# Altium PCB VOU_SOM_CV_V0.0.1.PcbDoc (part 1 of 4) (continued)
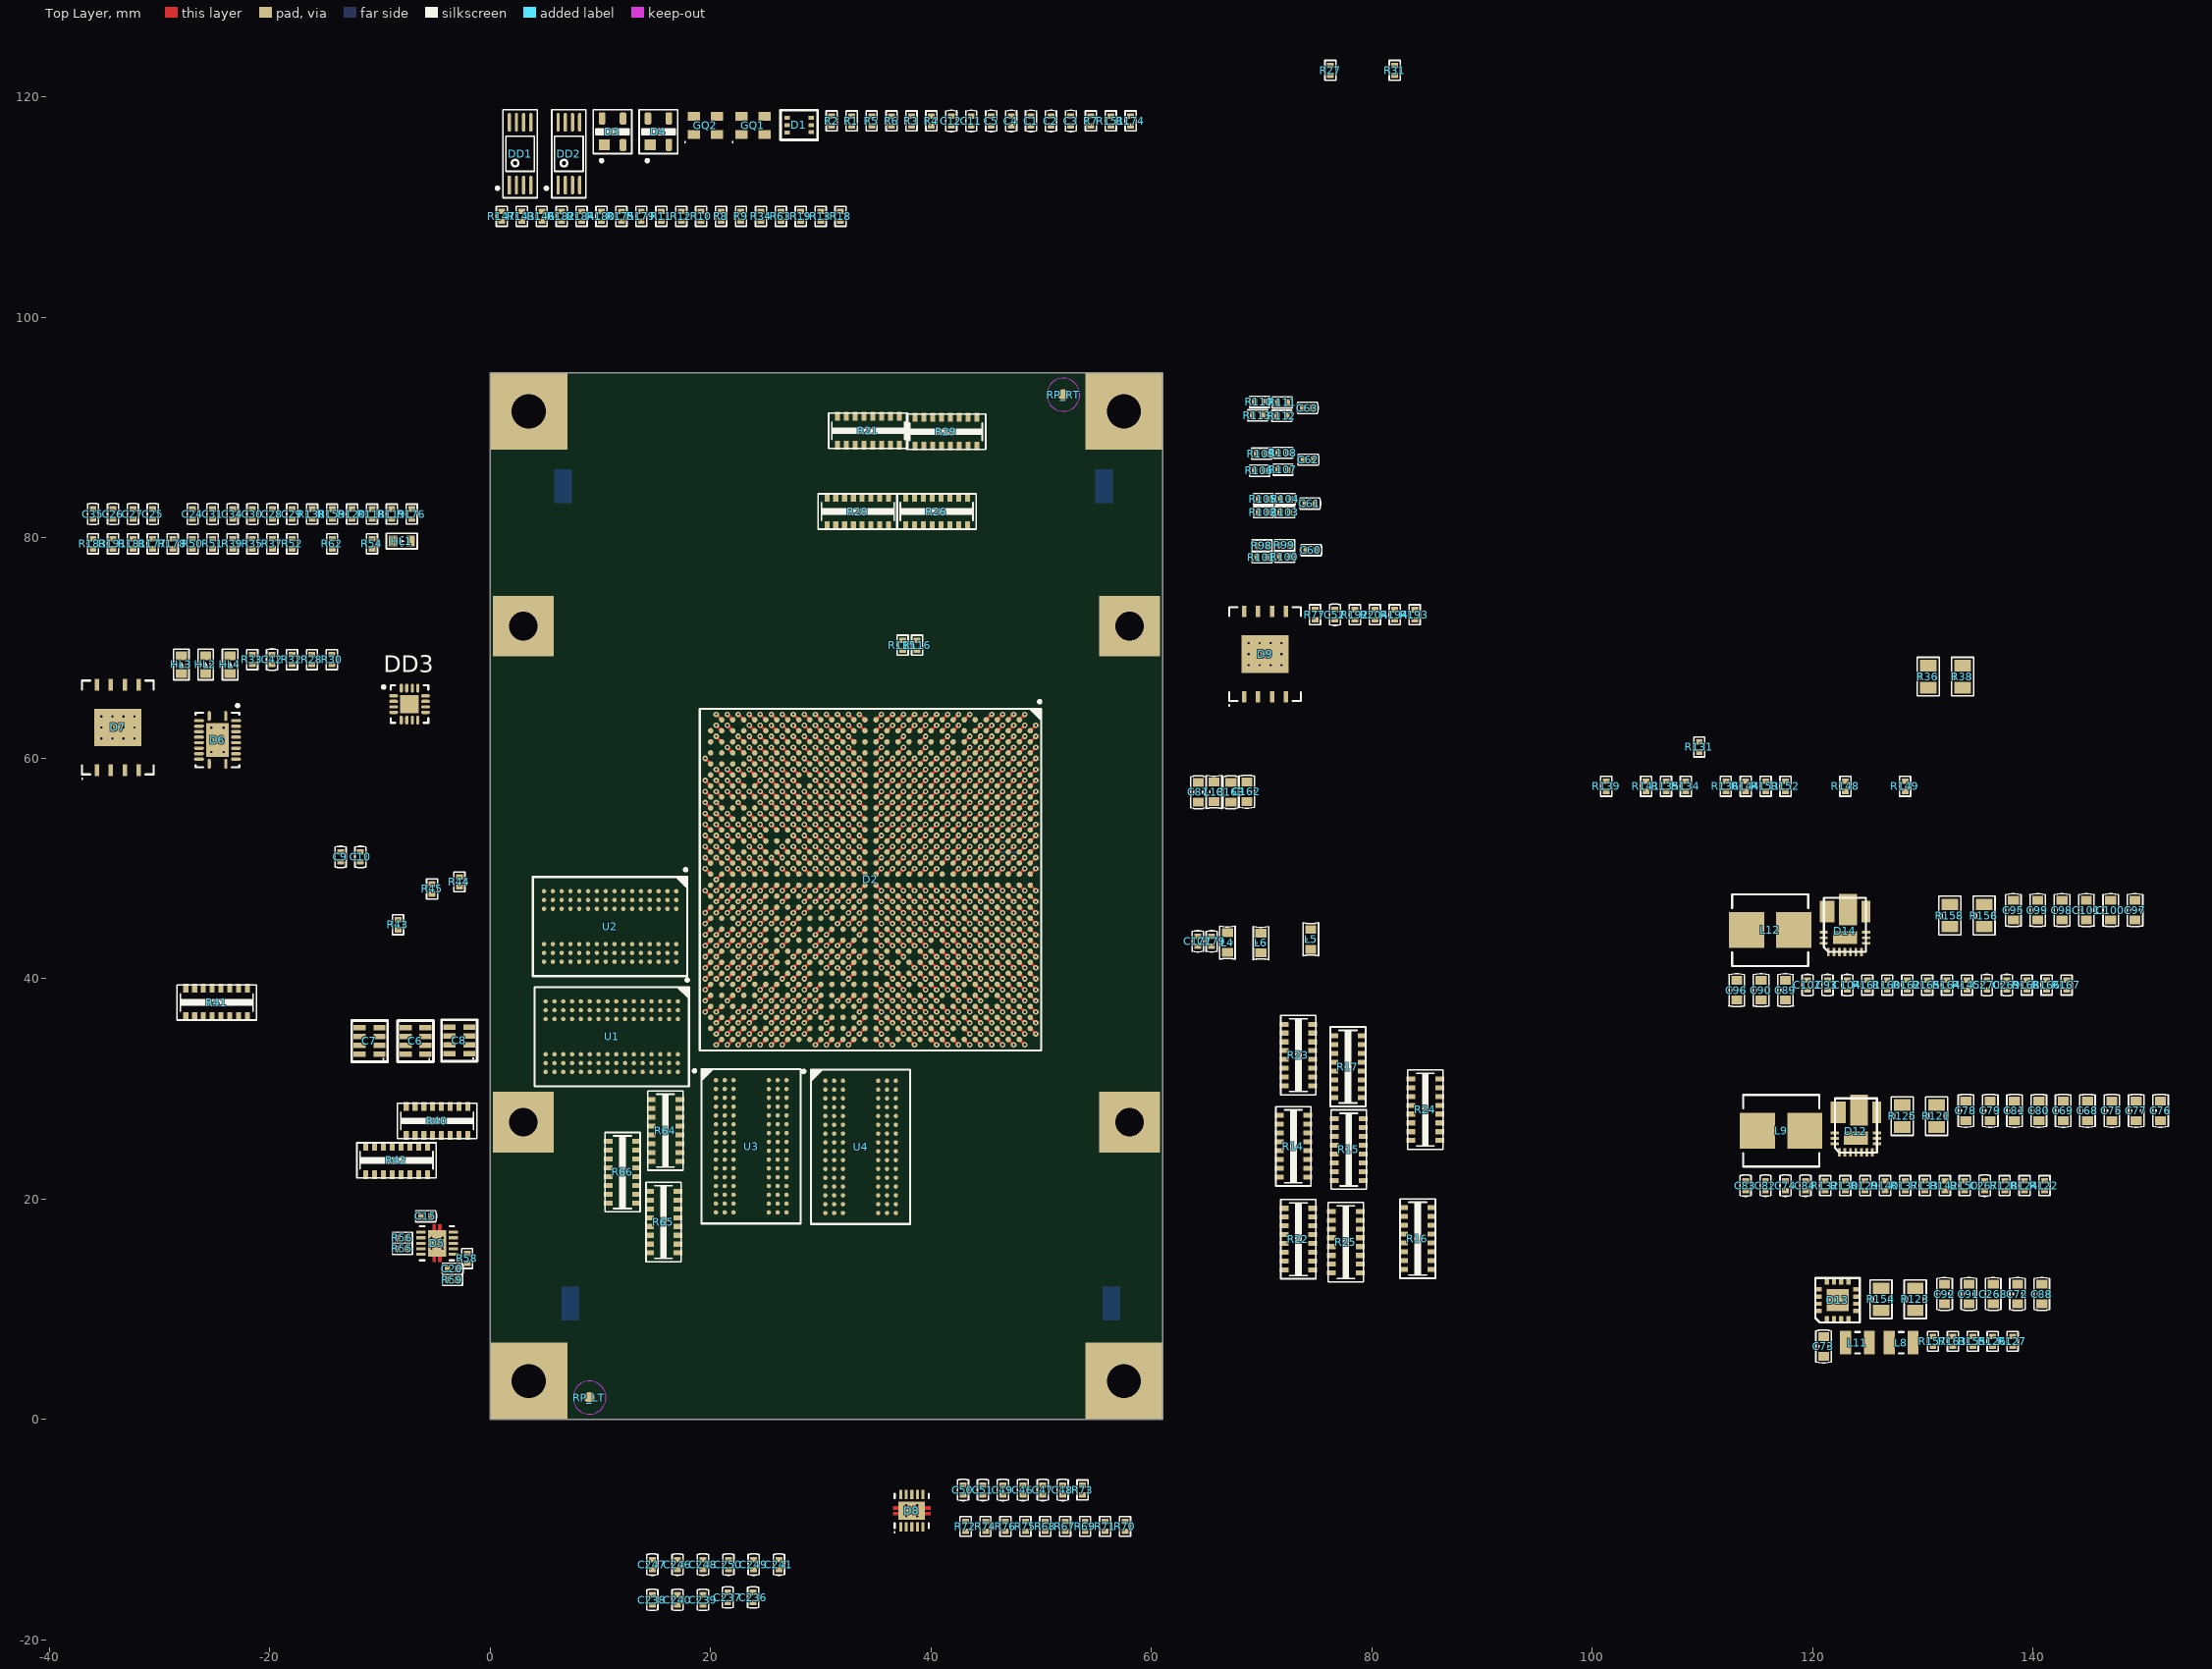
[diagram p0: Top Layer view]
## Components (designator, comment, footprint, x,y, rotation, side; value= is the part's Value field where it differs from the comment) (continued)
C74 "CC0402-X7R-2200 пФ-10%-16В" CC0402(1005) 117.52,21.234 r90 top
C75 "CC0603-X5R-22 мкФ-20%-6,3В" CC0603 147.137,28.025 r90 top
C76 "CC0603-X5R-22 мкФ-20%-6,3В" CC0603 151.553,28.025 r90 top
C77 "CC0603-X5R-22 мкФ-20%-6,3В" CC0603 149.345,28.025 r90 top
C78 "CC0603-X5R-22 мкФ-20%-6,3В" CC0603 133.889,28.025 r90 top
C79 "CC0603-X5R-22 мкФ-20%-6,3В" CC0603 136.097,28.025 r90 top
C80 "CC0603-X5R-22 мкФ-20%-6,3В" CC0603 140.513,28.025 r90 top
C81 "CC0603-X5R-1 мкФ-10%-25В" CC0603 138.305,28.025 r90 top
C82 "CC0402-X7R-0,1 мкФ-20%-10В" CC0402(1005) 115.712,21.234 r90 top
C83 "CC0402-X7R-0,01 мкФ-10%-50В" CC0402(1005) 113.904,21.234 r90 top
C84 "CC0402-NP0-270 пФ-1%-50В" CC0402(1005) 119.328,21.234 r90 top
C87 "CC0603-X5R-22 мкФ-20%-6,3В" CC0603 64.25,56.925 r270 top
C88 "CC0603-X5R-22 мкФ-20%-6,3В" CC0603 140.788,11.4 r90 top
C89 "CC0603-X5R-47 мкФ-20%-6,3В" CC0603 117.52,38.967 r90 top
C90 "CC0603-X5R-47 мкФ-20%-6,3В" CC0603 115.312,38.967 r90 top
C91 "CC0603-X5R-22 мкФ-20%-6,3В" CC0603 134.164,11.4 r90 top
C92 "CC0603-X5R-22 мкФ-20%-6,3В" CC0603 131.956,11.4 r90 top
C93 "CC0402-X7R-0,1 мкФ-20%-10В" CC0402(1005) 121.336,39.434 r90 top
C94 "CC0402-X7R-4700 пФ-10%-50В" CC0402(1005)_OCT 30,57 r90 bottom
C95 "CC0603-X5R-22 мкФ-20%-6,3В" CC0603 138.2,46.225 r90 top
C96 "CC0603-X5R-22 мкФ-20%-6,3В" CC0603 113.104,38.967 r90 top
C97 "CC0603-X5R-22 мкФ-20%-6,3В" CC0603 149.24,46.225 r90 top
C98 "CC0603-X5R-22 мкФ-20%-6,3В" CC0603 142.616,46.225 r90 top
C99 "CC0603-X5R-22 мкФ-20%-6,3В" CC0603 140.408,46.225 r90 top
C100 "CC0603-X5R-22 мкФ-20%-6,3В" CC0603 147.032,46.225 r90 top
C101 "CC0603-X5R-1 мкФ-10%-25В" CC0603 144.824,46.225 r90 top
C102 "CC0402-X7R-0,1 мкФ-20%-10В" CC0402(1005) 119.528,39.434 r90 top
C103 "CC0402-X7R-0,01 мкФ-10%-50В" CC0402(1005)_OCT 37,61 r270 bottom
C104 "CC0402-NP0-270 пФ-1%-50В" CC0402(1005) 123.144,39.434 r90 top
C105 "CC0402-X7R-0,1 мкФ-20%-10В" CC0402(1005)_OCT 30,60 r270 bottom
C106 "CC0402-X7R-0,01 мкФ-10%-50В" CC0402(1005)_OCT 39,60 r270 bottom
C107 "CC0402-X7R-0,01 мкФ-10%-50В" CC0402(1005)_OCT 20.5,54.5 r180 bottom
C108 "CC0402-X7R-0,01 мкФ-10%-50В" CC0402(1005)_OCT 24,43 r270 bottom
C109 "CC0402-X7R-0,01 мкФ-10%-50В" CC0402(1005)_OCT 23.5,50.5 r0 bottom
C110 "CC0402-X7R-0,1 мкФ-20%-10В" CC0402(1005)_OCT 20.5,38.5 r0 bottom
C111 "CC0402-X7R-0,1 мкФ-20%-10В" CC0402(1005)_OCT 29.5,46.5 r180 bottom
C112 "CC0402-X7R-0,01 мкФ-10%-50В" CC0402(1005)_OCT 25.5,54.5 r180 bottom
C113 "CC0402-X7R-0,01 мкФ-10%-50В" CC0402(1005)_OCT 36,46 r270 bottom
C114 "CC0402-X7R-0,01 мкФ-10%-50В" CC0402(1005)_OCT 32.5,44.5 r0 bottom
C115 "CC0402-X7R-0,01 мкФ-10%-50В" CC0402(1005)_OCT 39,45 r270 bottom
C116 "CC0402-X7R-0,01 мкФ-10%-50В" CC0402(1005)_OCT 36,54 r90 bottom
C117 "CC0402-X7R-0,01 мкФ-10%-50В" CC0402(1005)_OCT 36,52 r90 bottom
C118 "CC0402-X7R-0,01 мкФ-10%-50В" CC0402(1005)_OCT 35,50 r90 bottom
C119 "CC0402-X7R-0,01 мкФ-10%-50В" CC0402(1005)_OCT 33,43 r90 bottom
C120 "CC0402-X7R-0,01 мкФ-10%-50В" CC0402(1005)_OCT 32.5,51.5 r180 bottom
C121 "CC0402-X7R-0,01 мкФ-10%-50В" CC0402(1005)_OCT 27.5,45.5 r180 bottom
C122 "CC0402-X7R-0,01 мкФ-10%-50В" CC0402(1005)_OCT 26,49 r90 bottom
C123 "CC0402-X7R-0,1 мкФ-20%-10В" CC0402(1005)_OCT 28,60 r270 bottom
C124 "CC0402-X7R-0,1 мкФ-20%-10В" CC0402(1005)_OCT 31,60 r270 bottom
C125 "CC0402-X7R-0,01 мкФ-10%-50В" CC0402(1005)_OCT 32,60 r270 bottom
C126 "CC0402-X7R-0,01 мкФ-10%-50В" CC0402(1005)_OCT 36,60 r270 bottom
C127 "CC0402-X7R-0,01 мкФ-10%-50В" CC0402(1005)_OCT 30.5,51.5 r180 bottom
C128 "CC0402-X7R-0,01 мкФ-10%-50В" CC0402(1005)_OCT 38.5,48.5 r0 bottom
C129 "CC0402-X7R-0,01 мкФ-10%-50В" CC0402(1005)_OCT 35,55 r270 bottom
C130 "CC0402-X7R-0,01 мкФ-10%-50В" CC0402(1005)_OCT 37,49 r90 bottom
C131 "CC0402-X7R-0,01 мкФ-10%-50В" CC0402(1005)_OCT 32.5,49.5 r180 bottom
C132 "CC0402-X7R-0,01 мкФ-10%-50В" CC0402(1005)_OCT 35.5,48.5 r180 bottom
C133 "CC0402-X7R-0,01 мкФ-10%-50В" CC0402(1005)_OCT 38,52 r90 bottom
C134 "CC0402-X7R-0,01 мкФ-10%-50В" CC0402(1005)_OCT 38,50 r90 bottom
C135 "CC0402-X7R-0,01 мкФ-10%-50В" CC0402(1005)_OCT 24.5,36.5 r0 bottom
C136 "CC0402-X7R-0,01 мкФ-10%-50В" CC0402(1005)_OCT 31,42 r270 bottom
C137 "CC0402-X7R-0,01 мкФ-10%-50В" CC0402(1005)_OCT 32.5,41.5 r0 bottom
C138 "CC0402-X7R-0,1 мкФ-20%-10В" CC0402(1005)_OCT 43,54 r90 bottom
C139 "CC0402-X7R-0,1 мкФ-20%-10В" CC0402(1005)_OCT 28.5,53.5 r180 bottom
C140 "CC0402-X7R-0,01 мкФ-10%-50В" CC0402(1005)_OCT 27.5,48.5 r0 bottom
C141 "CC0402-X7R-0,01 мкФ-10%-50В" CC0402(1005)_OCT 25,42 r90 bottom
C142 "CC0402-X7R-0,01 мкФ-10%-50В" CC0402(1005)_OCT 40,54 r90 bottom
C143 "CC0402-X7R-0,01 мкФ-10%-50В" CC0402(1005)_OCT 39.5,51.5 r0 bottom
C144 "CC0402-X7R-0,01 мкФ-10%-50В" CC0402(1005)_OCT 23.5,61.5 r180 bottom
C145 "CC0402-X7R-0,01 мкФ-10%-50В" CC0402(1005)_OCT 25.5,57.5 r180 bottom
C146 "CC0402-X7R-0,01 мкФ-10%-50В" CC0402(1005)_OCT 29.5,52.5 r0 bottom
C147 "CC0402-X7R-0,01 мкФ-10%-50В" CC0402(1005)_OCT 35.5,47.5 r0 bottom
C148 "CC0402-X7R-0,01 мкФ-10%-50В" CC0402(1005)_OCT 29,57 r270 bottom
C149 "CC0402-X7R-0,01 мкФ-10%-50В" CC0402(1005)_OCT 39,57 r270 bottom
C150 "CC0402-X7R-0,01 мкФ-10%-50В" CC0402(1005)_OCT 36,56 r270 bottom
C151 "CC0402-X7R-0,01 мкФ-10%-50В" CC0402(1005)_OCT 39.5,52.5 r180 bottom
C152 "CC0402-X7R-0,01 мкФ-10%-50В" CC0402(1005)_OCT 32.5,53.5 r0 bottom
C153 "CC0402-X7R-0,01 мкФ-10%-50В" CC0402(1005)_OCT 38.5,55.5 r180 bottom
C154 "CC0402-X7R-0,01 мкФ-10%-50В" CC0402(1005)_OCT 28.5,36.5 r180 bottom
C155 "CC0402-X7R-0,01 мкФ-10%-50В" CC0402(1005)_OCT 38,58 r270 bottom
C156 "CC0402-X7R-0,01 мкФ-10%-50В" CC0402(1005)_OCT 28,57 r270 bottom
C157 "CC0402-X7R-0,01 мкФ-10%-50В" CC0402(1005)_OCT 31,57 r270 bottom
C158 "CC0402-X7R-0,01 мкФ-10%-50В" CC0402(1005)_OCT 36,58 r270 bottom
C159 "CC0402-X7R-0,01 мкФ-10%-50В" CC0402(1005)_OCT 41,56 r270 bottom
C160 "CC0402-X7R-0,1 мкФ-20%-10В" CC0402(1005)_OCT 32,57 r270 bottom
C161 "CC0402-X7R-0,1 мкФ-20%-10В" CC0402(1005)_OCT 40,56 r270 bottom
C162 "CC0603-X5R-22 мкФ-20%-6,3В" CC0603 68.65,56.975 r270 top
C163 "CC0603-X5R-22 мкФ-20%-6,3В" CC0603 67.2,56.925 r270 top
C164 "CC0402-X7R-0,01 мкФ-10%-50В" CC0402(1005)_OCT 48.5,58.5 r0 bottom
C165 "CC0402-X7R-0,01 мкФ-10%-50В" CC0402(1005)_OCT 48.5,54.5 r180 bottom
C166 "CC0402-X7R-0,1 мкФ-20%-10В" CC0402(1005)_OCT 42,53 r270 bottom
C167 "CC0402-X7R-0,01 мкФ-10%-50В" CC0402(1005)_OCT 20,49 r90 bottom
C168 "CC0402-X7R-4700 пФ-10%-50В" CC0402(1005)_OCT 31.5,46.5 r180 bottom
C169 "CC0402-X7R-4700 пФ-10%-50В" CC0402(1005)_OCT 37.5,45.5 r0 bottom
C170 "CC0402-X7R-4700 пФ-10%-50В" CC0402(1005)_OCT 39.5,47.5 r0 bottom
C171 "CC0402-X7R-4700 пФ-10%-50В" CC0402(1005)_OCT 37,47 r90 bottom
C172 "CC0402-X7R-4700 пФ-10%-50В" CC0402(1005)_OCT 31.5,43.5 r180 bottom
C173 "CC0402-X7R-4700 пФ-10%-50В" CC0402(1005)_OCT 32.5,47.5 r180 bottom
C174 "CC0402-X7R-4700 пФ-10%-50В" CC0402(1005)_OCT 31.5,52.5 r0 bottom
C175 "CC0402-X7R-0,01 мкФ-10%-50В" CC0402(1005)_OCT 28.5,51.5 r0 bottom
C176 "CC0402-X7R-0,1 мкФ-20%-10В" CC0402(1005)_OCT 42,42 r90 bottom
C177 "CC0402-X7R-0,1 мкФ-20%-10В" CC0402(1005) 64.2,43.4 r90 top
C178 "CC0402-X7R-0,01 мкФ-10%-50В" CC0402(1005)_OCT 41,42 r90 bottom
C179 "CC0402-X7R-0,01 мкФ-10%-50В" CC0402(1005) 65.45,43.4 r90 top
C180 "CC0402-X7R-4700 пФ-10%-50В" CC0402(1005)_OCT 34,46 r90 bottom
C181 "CC0402-X7R-4700 пФ-10%-50В" CC0402(1005)_OCT 33.5,52.5 r0 bottom
C182 "CC0402-X7R-4700 пФ-10%-50В" CC0402(1005)_OCT 32.5,48.5 r0 bottom
C183 "CC0402-X7R-4700 пФ-10%-50В" CC0402(1005)_OCT 30.525,49.5 r180 bottom
C184 "CC0402-X7R-4700 пФ-10%-50В" CC0402(1005)_OCT 37,51 r90 bottom
C185 "CC0402-X7R-4700 пФ-10%-50В" CC0402(1005)_OCT 32,55 r90 bottom
C186 "CC0402-X7R-4700 пФ-10%-50В" CC0402(1005)_OCT 37,55 r90 bottom
C187 "CC0402-X7R-4700 пФ-10%-50В" CC0402(1005)_OCT 37,53 r90 bottom
C188 "CC0402-X7R-0,01 мкФ-10%-50В" CC0402(1005)_OCT 42,56 r90 bottom
C189 "CC0402-X7R-0.047 мкФ-10%-50В" CC0402(1005)_OCT 38.5,46.5 r180 bottom
C190 "CC0402-X7R-0.047 мкФ-10%-50В" CC0402(1005)_OCT 34,48 r90 bottom
C191 "CC0402-X7R-0.047 мкФ-10%-50В" CC0402(1005)_OCT 33,55 r90 bottom
C192 "CC0402-X7R-0.047 мкФ-10%-50В" CC0402(1005)_OCT 35,52 r90 bottom
C193 "CC0402-X7R-0.047 мкФ-10%-50В" CC0402(1005)_OCT 29.5,50.5 r180 bottom
C194 "CC0402-X7R-0,01 мкФ-10%-50В" CC0402(1005)_OCT 41.5,38.5 r0 bottom
C195 "CC0402-X7R-0,01 мкФ-10%-50В" CC0402(1005)_OCT 47,37 r270 bottom
C196 "CC0402-X7R-0,01 мкФ-10%-50В" CC0402(1005)_OCT 40.5,36.5 r180 bottom
C197 "CC0402-X7R-0,1 мкФ-20%-10В" CC0402(1005)_OCT 44.5,34.5 r180 bottom
C198 "CC0402-X7R-0,1 мкФ-20%-10В" CC0402(1005)_OCT 38.5,43.5 r180 bottom
C199 "CC0402-X5R-10 мкФ-20%-6.3В" CC0402(1005)_OCT 33,46 r90 bottom
C200 "CC0402-X5R-10 мкФ-20%-6.3В" CC0402(1005)_OCT 38.5,53.5 r180 bottom
C201 "CC0402-X5R-10 мкФ-20%-6.3В" CC0402(1005)_OCT 31,54 r90 bottom
C202 "CC0805-X5R-100 мкФ-20%-4В" CC0805 75.505,50.667 r90 bottom
C203 "CC0805-X5R-100 мкФ-20%-4В" CC0805 72.1,50.425 r90 bottom
C204 "CC0805-X5R-100 мкФ-20%-4В" CC0805 81.625,51.325 r90 bottom
C205 "CC0805-X5R-100 мкФ-20%-4В" CC0805 78.613,50.667 r90 bottom
C206 "CC0402-X7R-0,01 мкФ-10%-50В" CC0402(1005)_OCT 36,44 r270 bottom
C207 "CC0402-X7R-0,01 мкФ-10%-50В" CC0402(1005)_OCT 38.5,42.5 r180 bottom
C208 "CC0402-X7R-0,01 мкФ-10%-50В" CC0402(1005)_OCT 41.5,45.5 r180 bottom
C209 "CC0402-X7R-0,01 мкФ-10%-50В" CC0402(1005)_OCT 41,47 r90 bottom
C210 "CC0402-X7R-0,1 мкФ-20%-10В" CC0402(1005)_OCT 37.5,44.5 r180 bottom
C211 "CC0402-X7R-0,1 мкФ-20%-10В" CC0402(1005)_OCT 31.5,50.5 r180 bottom
C212 "CC0402-X7R-0,1 мкФ-20%-10В" CC0402(1005)_OCT 37.5,56.5 r0 bottom
C213 "CC0402-X7R-0,22 мкФ-10%-6.3В" CC0402(1005)_OCT 39.5,50.5 r180 bottom
C214 "CC0402-X7R-0,22 мкФ-10%-6.3В" CC0402(1005)_OCT 36,50 r90 bottom
C215 "CC0402-X7R-0,47 мкФ-10%-6.3В" CC0402(1005)_OCT 33.5,50.5 r180 bottom
C216 "CC0402-X5R-1 мкФ-10%-6.3В" CC0402(1005)_OCT 31.5,45.5 r0 bottom
C217 "CC0402-X7R-0,01 мкФ-10%-50В" CC0402(1005)_OCT 44.5,42.5 r180 bottom
C218 "CC0402-X7R-0,01 мкФ-10%-50В" CC0402(1005)_OCT 43.5,45.5 r0 bottom
C219 "CC0402-X7R-0,01 мкФ-10%-50В" CC0402(1005)_OCT 47.5,45.5 r180 bottom
C220 "CC0402-X7R-0,01 мкФ-10%-50В" CC0402(1005) -23.625,22.571 r90 bottom
C221 "CC0402-X7R-0,01 мкФ-10%-50В" CC0402(1005) -21.325,22.571 r90 bottom
C222 "CC0402-X7R-0,01 мкФ-10%-50В" CC0402(1005) -25.925,22.571 r90 bottom
C223 "CC0402-X7R-0,1 мкФ-20%-10В" CC0402(1005) -30.525,22.571 r90 bottom
C224 "CC0402-X7R-0,1 мкФ-20%-10В" CC0402(1005) -28.225,22.571 r90 bottom
C225 "CC0402-X7R-0,1 мкФ-20%-10В" CC0402(1005) -32.825,25.771 r90 bottom
C226 "CC0402-X7R-0,01 мкФ-10%-50В" CC0402(1005)_OCT 46.5,49.5 r180 bottom
C227 "CC0402-X7R-4700 пФ-10%-50В" CC0402(1005) -23.625,25.771 r90 bottom
C228 "CC0402-X7R-4700 пФ-10%-50В" CC0402(1005) -21.325,25.771 r90 bottom
C229 "CC0402-X7R-0,22 мкФ-10%-6.3В" CC0402(1005) -25.925,25.771 r90 bottom
C230 "CC0402-X7R-0,22 мкФ-10%-6.3В" CC0402(1005) -30.525,25.771 r90 bottom
C231 "CC0402-X7R-0,47 мкФ-10%-6.3В" CC0402(1005) -28.225,25.771 r90 bottom
C232 "CC0402-X7R-0,1 мкФ-20%-10В" CC0402(1005)_OCT 40,42 r90 bottom
C233 "CC0402-X7R-0,1 мкФ-20%-10В" CC0402(1005)_OCT 76.925,43.4 r270 bottom
C234 "CC0402-X7R-0,01 мкФ-10%-50В" CC0402(1005)_OCT 40,44 r270 bottom
C235 "CC0402-X7R-0,01 мкФ-10%-50В" CC0402(1005)_OCT 75.859,43.457 r270 bottom
C236 "CC0402-X7R-0,01 мкФ-10%-50В" CC0402(1005) 23.85,-16.129 r90 top
C237 "CC0402-X7R-0,01 мкФ-10%-50В" CC0402(1005) 21.55,-16.129 r90 top
C238 "CC0402-X7R-0,01 мкФ-10%-50В" CC0402(1005) 14.7,-16.354 r90 top
C239 "CC0402-X7R-0,1 мкФ-20%-10В" CC0402(1005) 19.3,-16.354 r90 top
C240 "CC0402-X7R-0,1 мкФ-20%-10В" CC0402(1005) 17,-16.354 r90 top
C241 "CC0402-X7R-0,1 мкФ-20%-10В" CC0402(1005) 26.2,-13.154 r90 top
C242 "CC0402-X7R-0,1 мкФ-20%-10В" CC0402(1005)_OCT 43,40 r90 bottom
C243 "CC0402-X7R-0,1 мкФ-20%-10В" CC0402(1005)_OCT 41.5,43.5 r0 bottom
C244 "CC0402-X7R-0,01 мкФ-10%-50В" CC0402(1005)_OCT 44,40 r90 bottom
C245 "CC0402-X7R-0,01 мкФ-10%-50В" CC0402(1005)_OCT 41.5,44.5 r0 bottom
C246 "CC0402-X7R-4700 пФ-10%-50В" CC0402(1005) 17,-13.154 r90 top
C247 "CC0402-X7R-4700 пФ-10%-50В" CC0402(1005) 14.7,-13.154 r90 top
C248 "CC0402-X7R-0,22 мкФ-10%-6.3В" CC0402(1005) 19.3,-13.154 r90 top
C249 "CC0402-X7R-0,22 мкФ-10%-6.3В" CC0402(1005) 23.9,-13.154 r90 top
C250 "CC0402-X7R-0,47 мкФ-10%-6.3В" CC0402(1005) 21.6,-13.154 r90 top
C251 "CC0402-X7R-0,1 мкФ-20%-10В" CC0402(1005)_OCT 41.5,54.5 r180 bottom
C252 "CC0402-X7R-0,1 мкФ-20%-10В" CC0402(1005)_OCT 28.5,55.5 r180 bottom
C253 "CC0402-X7R-0,1 мкФ-20%-10В" CC0402(1005)_OCT 28.5,41.5 r180 bottom
C254 "CC0402-X7R-0,22 мкФ-10%-6.3В" CC0402(1005)_OCT 46.5,43.5 r180 bottom
C255 "CC0402-X7R-0,01 мкФ-10%-50В" CC0402(1005)_OCT 40,46 r270 bottom
C256 "CC0402-X7R-0,01 мкФ-10%-50В" CC0402(1005)_OCT 43.5,47.5 r180 bottom
C257 "CC0402-X7R-0,01 мкФ-10%-50В" CC0402(1005)_OCT 42,47 r90 bottom
C258 "CC0402-X7R-0,01 мкФ-10%-50В" CC0402(1005)_OCT 43,42 r90 bottom
C259 "CC0402-X7R-0,1 мкФ-20%-10В" CC0402(1005)_OCT 29.5,54.5 r180 bottom
C260 "CC0402-X7R-0,1 мкФ-20%-10В" CC0402(1005)_OCT 42.5,59.5 r180 bottom
C261 "CC0402-X7R-0,1 мкФ-20%-10В" CC0402(1005)_OCT 22,35 r270 bottom
C262 "CC0402-X7R-0,22 мкФ-10%-6.3В" CC0402(1005)_OCT 43.5,52.5 r0 bottom
C263 "CC0402-X7R-0,01 мкФ-10%-50В" CC0402(1005)_OCT 47.5,61.5 r0 bottom
C264 "CC0402-X7R-0,01 мкФ-10%-50В" CC0402(1005)_OCT 25,44 r270 bottom
C265 "CC0402-X7R-0,01 мкФ-10%-50В" CC0402(1005)_OCT 46,56 r90 bottom
C266 "CC0402-X7R-0,01 мкФ-10%-50В" CC0402(1005)_OCT 45.5,59.5 r0 bottom
C267 "CC0402-X7R-0,1 мкФ-20%-10В" CC0402(1005) 135.6,21.234 r90 top
C268 "CC0603-X5R-22 мкФ-20%-6,3В" CC0603 136.372,11.4 r90 top
C269 "CC0402-X7R-2200 пФ-10%-16В" CC0402(1005) 137.608,39.434 r90 top
C270 "CC0402-X7R-0,01 мкФ-10%-50В" CC0402(1005) 135.8,39.434 r90 top
D1 "SN74LVC2G07DCKR" DCKR 28.305,116.808 r90 top
D2 "5CSXFC6D6F31I7N" ALTR-FBGA896_A-200 34.5,49 r270 top locked
D3 "ADM811TARTZ" SOT-143 11.095,116.867 r90 top
D4 "ADM811TARTZ" SOT-143 15.253,116.867 r90 top
D5 "TPS51200DRCR" TI-DRC10-2400X1650TP_V -4.825,16 r180 top
D6 "TXS0108ERGYR" QFN50P450X350X100_HS-21N -24.75,61.675 r270 top
D7 "MT25QL512ABB1EW9-0SIT" SON127P800X80_HS-9N -33.79,62.805 r90 top
D8 "TPS51200DRCR" TI-DRC10-2400X1650TP_V 38.25,-8.275 r90 top
D9 "MT25QL512ABB1EW9-0SIT" SON127P800X80_HS-9N 70.304,69.462 r90 top
D12 "IR3859MTRPBF" IR3859 122.414,24.24 r90 top
D13 "RT8012AGQW" RT8012AGQW 121.281,9.215 r90 top
D14 "IR3859MTRPBF" IR3859 121.414,42.44 r90 top
DD1 "CDCLVC1104PWR" TSSOP-8 2.704,114.867 r90 top
DD2 "CDCLVC1104PWR" TSSOP-8 7.137,114.867 r90 top
DD3 "CDCLVD2102RGTT" QFN50P300X300X100_HS-17N -7.325,64.925 r0 top
GQ1 "ASEMB-50.000MHZ-XY-T" DFN210P320X100-4N 23.839,117.417 r0 top
GQ2 "ASEMB-25.000MHZ-XY-T" DFN210P320X100-4N 19.521,117.417 r0 top
HL1 "KPT-1608SURC" LED0603_RED -8.026,79.721 r0 top
HL2 "KPT-1608SYC" LED0603_YELLOW -25.822,68.517 r90 top
HL3 "KPT-1608ZGC" LED0603_GREEN -28.03,68.517 r90 top
HL4 "KPT-1608ZGC" LED0603_GREEN -23.614,68.517 r90 top
L1 "MH1608-600Y" CL0805 67.1,50.925 r90 bottom
L2 "MH1608-600Y" CL0805 64.425,51 r90 bottom
L3 "BLM18PG-60 Ом" CL0603 41.9,49 r0 bottom
L4 "BLM18PG-60 Ом" CL0603 66.885,43.292 r90 top
L5 "BLM18PG-60 Ом" CL0603 74.45,43.575 r270 top
L6 "BLM18PG-60 Ом" CL0603 69.925,43.25 r90 top
L8 "IHHP1008AZER1R5M01" INDC2720X12L 128.02,6.981 r0 top
L9 "IHLP2525CZERR68M01" INDP6965X30L 117.129,26.217 r0 top
L11 "IHHP1008AZER1R5M01" INDC2720X12L 124.062,6.981 r0 top
L12 "IHLP2525CZERR33M01" INDP6965X30L 116.129,44.417 r0 top
L13 "BLM18PG-60 Ом" CL0603 65.677,56.967 r90 top
R1 "CR0402-10 кОм-±5%" CR0402(1005) 32.795,117.842 r90 top
R2 "CR0402-10 кОм-±5%" CR0402(1005) 30.987,117.842 r90 top
R3 "CR0402-4.7 кОм-±5%" CR0402(1005) 38.219,117.842 r90 top
R4 "CR0402-22 Ом-±5%" CR0402(1005) 40.027,117.842 r90 top
R5 "CR0402-22 Ом-±5%" CR0402(1005) 34.603,117.842 r90 top
R6 "CR0402-22 Ом-±5%" CR0402(1005) 36.411,117.842 r90 top
R7 "CR0402-22 Ом-±5%" CR0402(1005) 54.491,117.842 r90 top
R8 "CR0402-4.7 кОм-±5%" CR0402(1005) 20.942,109.184 r90 top
R9 "CR0402-22 Ом-±5%" CR0402(1005) 22.75,109.184 r90 top
R10 "CR0402-22 Ом-±5%" CR0402(1005) 19.134,109.184 r90 top
R11 "CR0402-22 Ом-±5%" CR0402(1005) 15.518,109.184 r90 top
R12 "CR0402-0 Ом-±5%" CR0402(1005) 17.326,109.184 r90 top
R13 "CR0402-10 кОм-±5%" CR0402(1005) 29.982,109.184 r90 top
R14 "YC248-JR-07-22 Ом" CAT16-J8 72.875,24.8 r270 top
R15 "YC248-JR-07-22 Ом" CAT16-J8 77.9,24.5 r270 top
R16 "YC248-JR-07-22 Ом" CAT16-J8 84.15,16.425 r270 top
R17 "YC248-JR-07-22 Ом" CAT16-J8 77.825,32.025 r270 top
R18 "CR0402-10 кОм-±5%" CR0402(1005) 31.79,109.184 r90 top
R19 "CR0402-0 Ом-±5%" CR0402(1005) 28.174,109.184 r90 top
R20 "YC248-JR-07-22 Ом" CAT16-J8 33.35,82.4 r180 top
R21 "YC248-JR-07-22 Ом" CAT16-J8 34.3,89.725 r0 top
R22 "YC248-JR-07-VALUE" CAT16-J8 73.325,16.375 r270 top
R23 "YC248-JR-07-22 Ом" CAT16-J8 73.325,33.075 r270 top
R24 "YC248-JR-07-22 Ом" CAT16-J8 84.85,28.125 r270 top
R25 "YC248-JR-07-22 Ом" CAT16-J8 77.625,16.1 r270 top
R26 "YC248-JR-07-22 Ом" CAT16-J8 40.5,82.4 r0 top
R27 "CR0402-22 Ом-±5%" CR0402(1005) 76.232,122.431 r90 top
R28 "CR0402-0 Ом-±5%" CR0402(1005) -16.182,68.967 r90 top
R29 "YC248-JR-07-22 Ом" CAT16-J8 41.35,89.65 r0 top
R30 "CR0402-0 Ом-±5%" CR0402(1005) -14.374,68.967 r90 top
R31 "CR0402-22 Ом-±5%" CR0402(1005) 82.074,122.431 r90 top
R32 "CR0402-0 Ом-±5%" CR0402(1005) -17.99,68.967 r90 top
R33 "CR0402-0 Ом-±5%" CR0402(1005) -21.606,68.967 r90 top
R34 "CR0402-0 Ом-±5%" CR0402(1005) 24.558,109.184 r90 top
R35 "CR0402-10 кОм-±5%" CR0402(1005) -21.582,79.471 r90 top
R36 "CR0805-0 Ом-±5%" CR0805 130.478,67.417 r90 top
R37 "CR0402-10 кОм-±5%" CR0402(1005) -19.774,79.471 r90 top
R38 "CR0805-0 Ом-±5%" CR0805 133.586,67.417 r90 top
R39 "CR0402-10 кОм-±5%" CR0402(1005) -23.39,79.471 r90 top
R40 "YC248-JR-07-51 Ом" CAT16-J8 -4.825,27.1 r180 top
R41 "YC248-JR-07-51 Ом" CAT16-J8 -24.825,37.85 r180 top
R42 "YC248-JR-07-51 Ом" CAT16-J8 -8.5,23.525 r180 top
R43 "CR0402-100 Ом-±5%" CR0402(1005) -8.375,44.9 r270 top
R44 "CR0402-100 Ом-±5%" CR0402(1005) -2.8,48.8 r90 top
R45 "CR0402-100 Ом-±5%" CR0402(1005) -5.275,48.15 r90 top
R47 "CR0402-240 Ом-±TOLERANCE" CR0402(1005) 9.1,31.9 r270 bottom
R48 "CR0402-240 Ом-±TOLERANCE" CR0402(1005) 8.85,41.775 r270 bottom
R49 "CR0402-2 кОм-±5%" CR0402(1005) 3.75,47.6 r270 bottom
R50 "CR0402-240 Ом-±5%" CR0402(1005) -27.006,79.471 r90 top
R51 "CR0402-10 кОм-±5%" CR0402(1005) -25.198,79.471 r90 top
R52 "CR0402-240 Ом-±5%" CR0402(1005) -17.966,79.471 r90 top
R53 "CR0402-100 Ом-±TOLERANCE" CR0402(1005) 10.225,34.15 r0 bottom
R54 "CR0402-240 Ом-±5%" CR0402(1005) -10.734,79.471 r90 top
R55 "CR0402-100 кОм-±5%" CR0402(1005) -7.975,15.5 r0 top
R56 "CR0402-10 кОм-±5%" CR0402(1005) -7.975,16.5 r0 top
R57 "CR0402-100 Ом-±TOLERANCE" CC0402(1005)_OCT 23.5,44.5 r0 bottom
R58 "CR0402-10 кОм-±5%" CR0402(1005) -2.1,14.625 r270 top
R59 "CR0402-10 кОм-±5%" CR0402(1005) -3.425,12.675 r0 top
R62 "CR0402-0 Ом-±5%" CR0402(1005) -14.35,79.471 r90 top
R63 "CR0402-10 кОм-±5%" CR0402(1005) 26.366,109.184 r90 top
R64 "YC248-JR-07-51 Ом" CAT16-J8 15.9,26.225 r90 top
R65 "YC248-JR-07-51 Ом" CAT16-J8 15.725,17.925 r90 top
R66 "YC248-JR-07-51 Ом" CAT16-J8 12,22.45 r90 top
R67 "CR0402-100 Ом-±TOLERANCE" CR0402(1005) 52.169,-9.691 r90 top
R68 "CR0402-240 Ом-±TOLERANCE" CR0402(1005) 50.361,-9.691 r90 top
R69 "CR0402-100 Ом-±TOLERANCE" CR0402(1005) 53.977,-9.691 r90 top
R70 "CR0402-240 Ом-±TOLERANCE" CR0402(1005) 57.593,-9.691 r90 top
R71 "CR0402-2 кОм-±5%" CR0402(1005) 55.785,-9.691 r90 top
R72 "CR0402-4.7 кОм-±5%" CR0402(1005) 43.129,-9.691 r90 top
R73 "CR0402-100 кОм-±5%" CR0402(1005) 53.746,-6.383 r90 top
R74 "CR0402-10 кОм-±5%" CR0402(1005) 44.937,-9.691 r90 top
R75 "CR0402-10 кОм-±5%" CR0402(1005) 48.553,-9.691 r90 top
R76 "CR0402-10 кОм-±5%" CR0402(1005) 46.745,-9.691 r90 top
R77 "CR0402-4.7 кОм-±5%" CR0402(1005) 74.837,73.042 r90 top
R78 "CR0402-100 Ом-±5%" CR0402(1005)_OCT 51.967,50.914 r0 bottom
R79 "CR0402-200 Ом-±5%" CR0402(1005)_OCT 53.975,50.925 r0 bottom
R80 "CR0402-100 Ом-±5%" CR0402(1005)_OCT 51.9,49.9 r0 bottom
R81 "CR0402-200 Ом-±5%" CR0402(1005)_OCT 53.975,49.9 r180 bottom
R82 "CR0402-100 Ом-±5%" CR0402(1005)_OCT 52.875,55.35 r0 bottom
R83 "CR0402-200 Ом-±5%" CR0402(1005)_OCT 54.725,55.35 r0 bottom
R84 "CR0402-100 Ом-±5%" CR0402(1005)_OCT 52.875,54.25 r0 bottom
R85 "CR0402-200 Ом-±5%" CR0402(1005)_OCT 54.7,54.275 r180 bottom
R86 "CR0402-100 Ом-±5%" CR0402(1005)_OCT 45,53 r270 bottom
R87 "CR0402-200 Ом-±5%" CR0402(1005)_OCT 45.5,51.5 r0 bottom
R88 "CR0402-100 Ом-±5%" CR0402(1005)_OCT 46,53 r270 bottom
R89 "CR0402-200 Ом-±5%" CR0402(1005)_OCT 47,52 r90 bottom
R90 "CR0402-100 Ом-±5%" CR0402(1005)_OCT 52.875,59.95 r0 bottom
R91 "CR0402-200 Ом-±5%" CR0402(1005)_OCT 54.675,59.95 r0 bottom
R92 "CR0402-100 Ом-±5%" CR0402(1005)_OCT 52.875,61.1 r0 bottom
R93 "CR0402-200 Ом-±5%" CR0402(1005)_OCT 54.675,61.1 r180 bottom
R94 "CR0402-100 Ом-±5%" CR0402(1005)_OCT 52.975,56.75 r0 bottom
R95 "CR0402-200 Ом-±5%" CR0402(1005)_OCT 54.85,56.8 r0 bottom
R96 "CR0402-100 Ом-±5%" CR0402(1005)_OCT 52.825,57.95 r0 bottom
R97 "CR0402-200 Ом-±5%" CR0402(1005)_OCT 54.75,58 r180 bottom
R98 "CR0402-100 Ом-±5%" CR0402(1005) 70.025,79.325 r0 top
R99 "CR0402-200 Ом-±5%" CR0402(1005) 72.075,79.35 r0 top
R100 "CR0402-200 Ом-±5%" CR0402(1005) 72.075,78.3 r180 top
R101 "CR0402-100 Ом-±5%" CR0402(1005) 70.025,78.25 r0 top
R102 "CR0402-100 Ом-±5%" CR0402(1005) 70.15,82.35 r0 top
R103 "CR0402-200 Ом-±5%" CR0402(1005) 72.1,82.35 r0 top
R104 "CR0402-200 Ом-±5%" CR0402(1005) 72.15,83.525 r180 top
R105 "CR0402-100 Ом-±5%" CR0402(1005) 70.15,83.525 r0 top
R106 "CR0402-100 Ом-±5%" CR0402(1005) 69.8,86.1 r0 top
R107 "CR0402-200 Ом-±5%" CR0402(1005) 71.925,86.2 r0 top
R108 "CR0402-200 Ом-±5%" CR0402(1005) 71.925,87.725 r180 top
R109 "CR0402-100 Ом-±5%" CR0402(1005) 69.975,87.65 r0 top
R110 "CR0402-100 Ом-±5%" CR0402(1005) 69.8,92.35 r0 top
R111 "CR0402-200 Ом-±5%" CR0402(1005) 71.875,92.3 r0 top
R112 "CR0402-200 Ом-±5%" CR0402(1005) 71.825,91.075 r180 top
R113 "CR0402-100 Ом-±5%" CR0402(1005) 69.625,91.125 r0 top
R114 "CR0402-100 Ом-±5%" CR0402(1005) 37.425,70.275 r270 bottom
R115 "CR0402-200 Ом-±5%" CR0402(1005) 37.425,70.275 r90 top
R116 "CR0402-200 Ом-±5%" CR0402(1005) 38.725,70.275 r270 top
R117 "CR0402-100 Ом-±5%" CR0402(1005) 38.725,70.275 r90 bottom
R118 "CR0402-10 кОм-±5%" CR0402(1005) -10.734,82.179 r90 top
R119 "CR0402-240 Ом-±5%" CR0402(1005) -8.926,82.179 r90 top
R120 "CR0402-10 кОм-±5%" CR0402(1005) -12.542,82.179 r90 top
R121 "CR0805-0 Ом-±5%" CR0805 131.231,27.542 r90 top
R122 "CR0402-45.3 кОм-±1%" CR0402(1005) 141.024,21.234 r90 top
R123 "CR0805-0 Ом-±5%" CR0805 129.298,10.917 r90 top
R124 "CR0402-7.15 кОм-±1%" CR0402(1005) 139.216,21.234 r90 top
R125 "CR0805-0 Ом-±5%" CR0805 128.123,27.542 r90 top
R126 "CR0402-45.3 кОм-±1%" CR0402(1005) 136.327,7.106 r90 top
R127 "CR0402-21.0 кОм-±1%" CR0402(1005) 138.135,7.106 r90 top
R128 "CR0402-45.3 кОм-±1%" CR0402(1005) 137.408,21.234 r90 top
R129 "CR0402-3.16 кОм-±1%" CR0402(1005) 124.752,21.234 r90 top
R130 "CR0402-45.3 кОм-±1%" CR0402(1005) 122.944,21.234 r90 top
R131 "CR0402-10 кОм-±5%" CR0402(1005) 109.7,61.025 r90 top
R132 "CR0402-14.3кОм-±1%" CR0402(1005) 121.136,21.234 r90 top
R133 "CR0402-130 Ом-±1%" CR0402(1005) 130.176,21.234 r90 top
R134 "CR0402-0 Ом-±5%" CR0402(1005) 108.492,57.466 r90 top
R135 "CR0402-0 Ом-±5%" CR0402(1005) 106.684,57.466 r90 top
R136 "CR0402-0 Ом-±5%" CR0402(1005) 112.108,57.466 r90 top
R137 "CR0402-1.65 кОм-±1%" CR0402(1005) 128.368,21.234 r90 top
R138 "CR0402-0 Ом-±5%" CR0402(1005) -16.158,82.179 r90 top
R139 "CR0402-0 Ом-±5%" CR0402(1005) 101.26,57.466 r90 top
R140 "CR0402-12.1 кОм-±1%" CR0402(1005) 126.56,21.234 r90 top
R141 "CR0402-0 Ом-±5%" CR0402(1005) 104.876,57.466 r90 top
R142 "CR0402-10 кОм-±1%" CR0402(1005) 131.984,21.234 r90 top
R143 "CR0402-0 Ом-±5%" CR0402(1005) 2.862,109.184 r90 top
R144 "CR0402-22 Ом-±5%" CR0402(1005) 113.916,57.466 r90 top
R145 "CR0402-3.16 кОм-±1%" CR0402(1005) 133.992,39.434 r90 top
R146 "CR0402-0 Ом-±5%" CR0402(1005) 4.67,109.184 r90 top
R147 "CR0402-0 Ом-±5%" CR0402(1005) 1.054,109.184 r90 top
R148 "CR0402-10 кОм-±5%" CR0402(1005) 122.956,57.466 r90 top
R149 "CR0402-0 Ом-±5%" CR0402(1005) 128.38,57.466 r90 top
R150 "CR0402-0 Ом-±5%" CR0402(1005) 133.792,21.234 r90 top
R151 "CR0402-0 Ом-±5%" CR0402(1005) 56.299,117.842 r90 top
R152 "CR0402-0 Ом-±5%" CR0402(1005) 117.532,57.466 r90 top
R153 "CR0402-0 Ом-±5%" CR0402(1005) 115.724,57.466 r90 top
R154 "CR0805-0 Ом-±5%" CR0805 126.19,10.917 r90 top
R155 "CR0402-45.3 кОм-±1%" CR0402(1005) 134.519,7.106 r90 top
R156 "CR0805-0 Ом-±5%" CR0805 135.542,45.742 r90 top
R157 "CR0402-64.9 кОм-±1%" CR0402(1005) 130.903,7.106 r90 top
R158 "CR0805-0 Ом-±5%" CR0805 132.434,45.742 r90 top
R159 "CR0402-2.00 кОм-±1%" CR0402(1005) -14.35,82.179 r90 top
R160 "CR0402-45.3 кОм-±1%" CR0402(1005) 126.76,39.434 r90 top
R161 "CR0402-45.3 кОм-±1%" CR0402(1005) 124.952,39.434 r90 top
R162 "CR0402-14.3кОм-±1%" CR0402(1005) 128.568,39.434 r90 top
R163 "CR0402-0 Ом-±5%" CR0402(1005) 132.711,7.106 r90 top
R164 "CR0402-130 Ом-±1%" CR0402(1005) 132.184,39.434 r90 top
R165 "CR0402-1.65 кОм-±1%" CR0402(1005) 130.376,39.434 r90 top
R166 "CR0402-78.7 кОм-±1%" CR0402(1005) 141.224,39.434 r90 top
R167 "CR0402-52.3 кОм-±1%" CR0402(1005) 143.032,39.434 r90 top
R168 "CR0402-0 Ом-±5%" CR0402(1005) 139.416,39.434 r90 top
R174 "CR0402-10 кОм-±5%" CR0402(1005) 58.107,117.842 r90 top
R175 "CR0402-DNP-±5%" CR0402(1005) 11.902,109.184 r90 top
R176 "CR0402-4.7 кОм-±5%" CR0402(1005) -7.118,82.179 r90 top
R177 "CR0402-4.7 кОм-±5%" CR0402(1005) -30.622,79.471 r90 top
R178 "CR0402-10 кОм-±5%" CR0402(1005) -28.814,79.471 r90 top
R179 "CR0402-4.7 кОм-±5%" CR0402(1005) 13.71,109.184 r90 top
R180 "CR0402-1 кОм-±5%" CR0402(1005) 10.094,109.184 r90 top
R181 "CR0402-10 кОм-±5%" CR0402(1005) -32.43,79.471 r90 top
R182 "CR0402-10 кОм-±5%" CR0402(1005) 6.478,109.184 r90 top
R183 "CR0402-10 кОм-±5%" CR0402(1005) -36.046,79.471 r90 top
R184 "CR0402-4.7 кОм-±5%" CR0402(1005) 8.286,109.184 r90 top
R190 "CR0402-4.7 кОм-±5%" CR0402(1005) 9,40.45 r0 bottom
R191 "CR0402-22 Ом-±5%" CR0402(1005) -34.238,79.471 r90 top
R192 "CR0402-4.7 кОм-±5%" CR0402(1005) 78.453,73.042 r90 top
R193 "CR0402-4.7 кОм-±5%" CR0402(1005) 83.877,73.042 r90 top
R194 "CR0402-22 Ом-±5%" CR0402(1005) 82.069,73.042 r90 top
R204 "CR0402-4.7 кОм-±5%" CR0402(1005) 80.261,73.042 r90 top
RP_BL "Comment" Reper-Normal 52,2 r90 bottom
RP_BR "Comment" Reper-Normal 9,93 r90 bottom
RP_LT "Comment" Reper-Normal 9,2 r90 top
RP_RT "Comment" Reper-Normal 52,93 r90 top
U1 "MT41K256M16HA-125 AIT" MICT-HA-96 11.025,34.75 r270 top
U2 "MT41K256M16HA-125 AIT" MICT-HA-96 10.875,44.75 r270 top
U3 "MT41K256M16HA-125 AIT" MICT-HA-96 23.675,24.8 r0 top
U4 "MT41K256M16HA-125 AIT" MICT-HA-96 33.6,24.75 r0 top
X1 "FX10A-168S-SV" FX10A-168S-SV 31.825,10.525 r180 bottom
X2 "FX10A-168S-SV" FX10A-168S-SV 31.155,84.69 r0 bottom